# KiCad board MyCPU.kicad_pcb (continued)
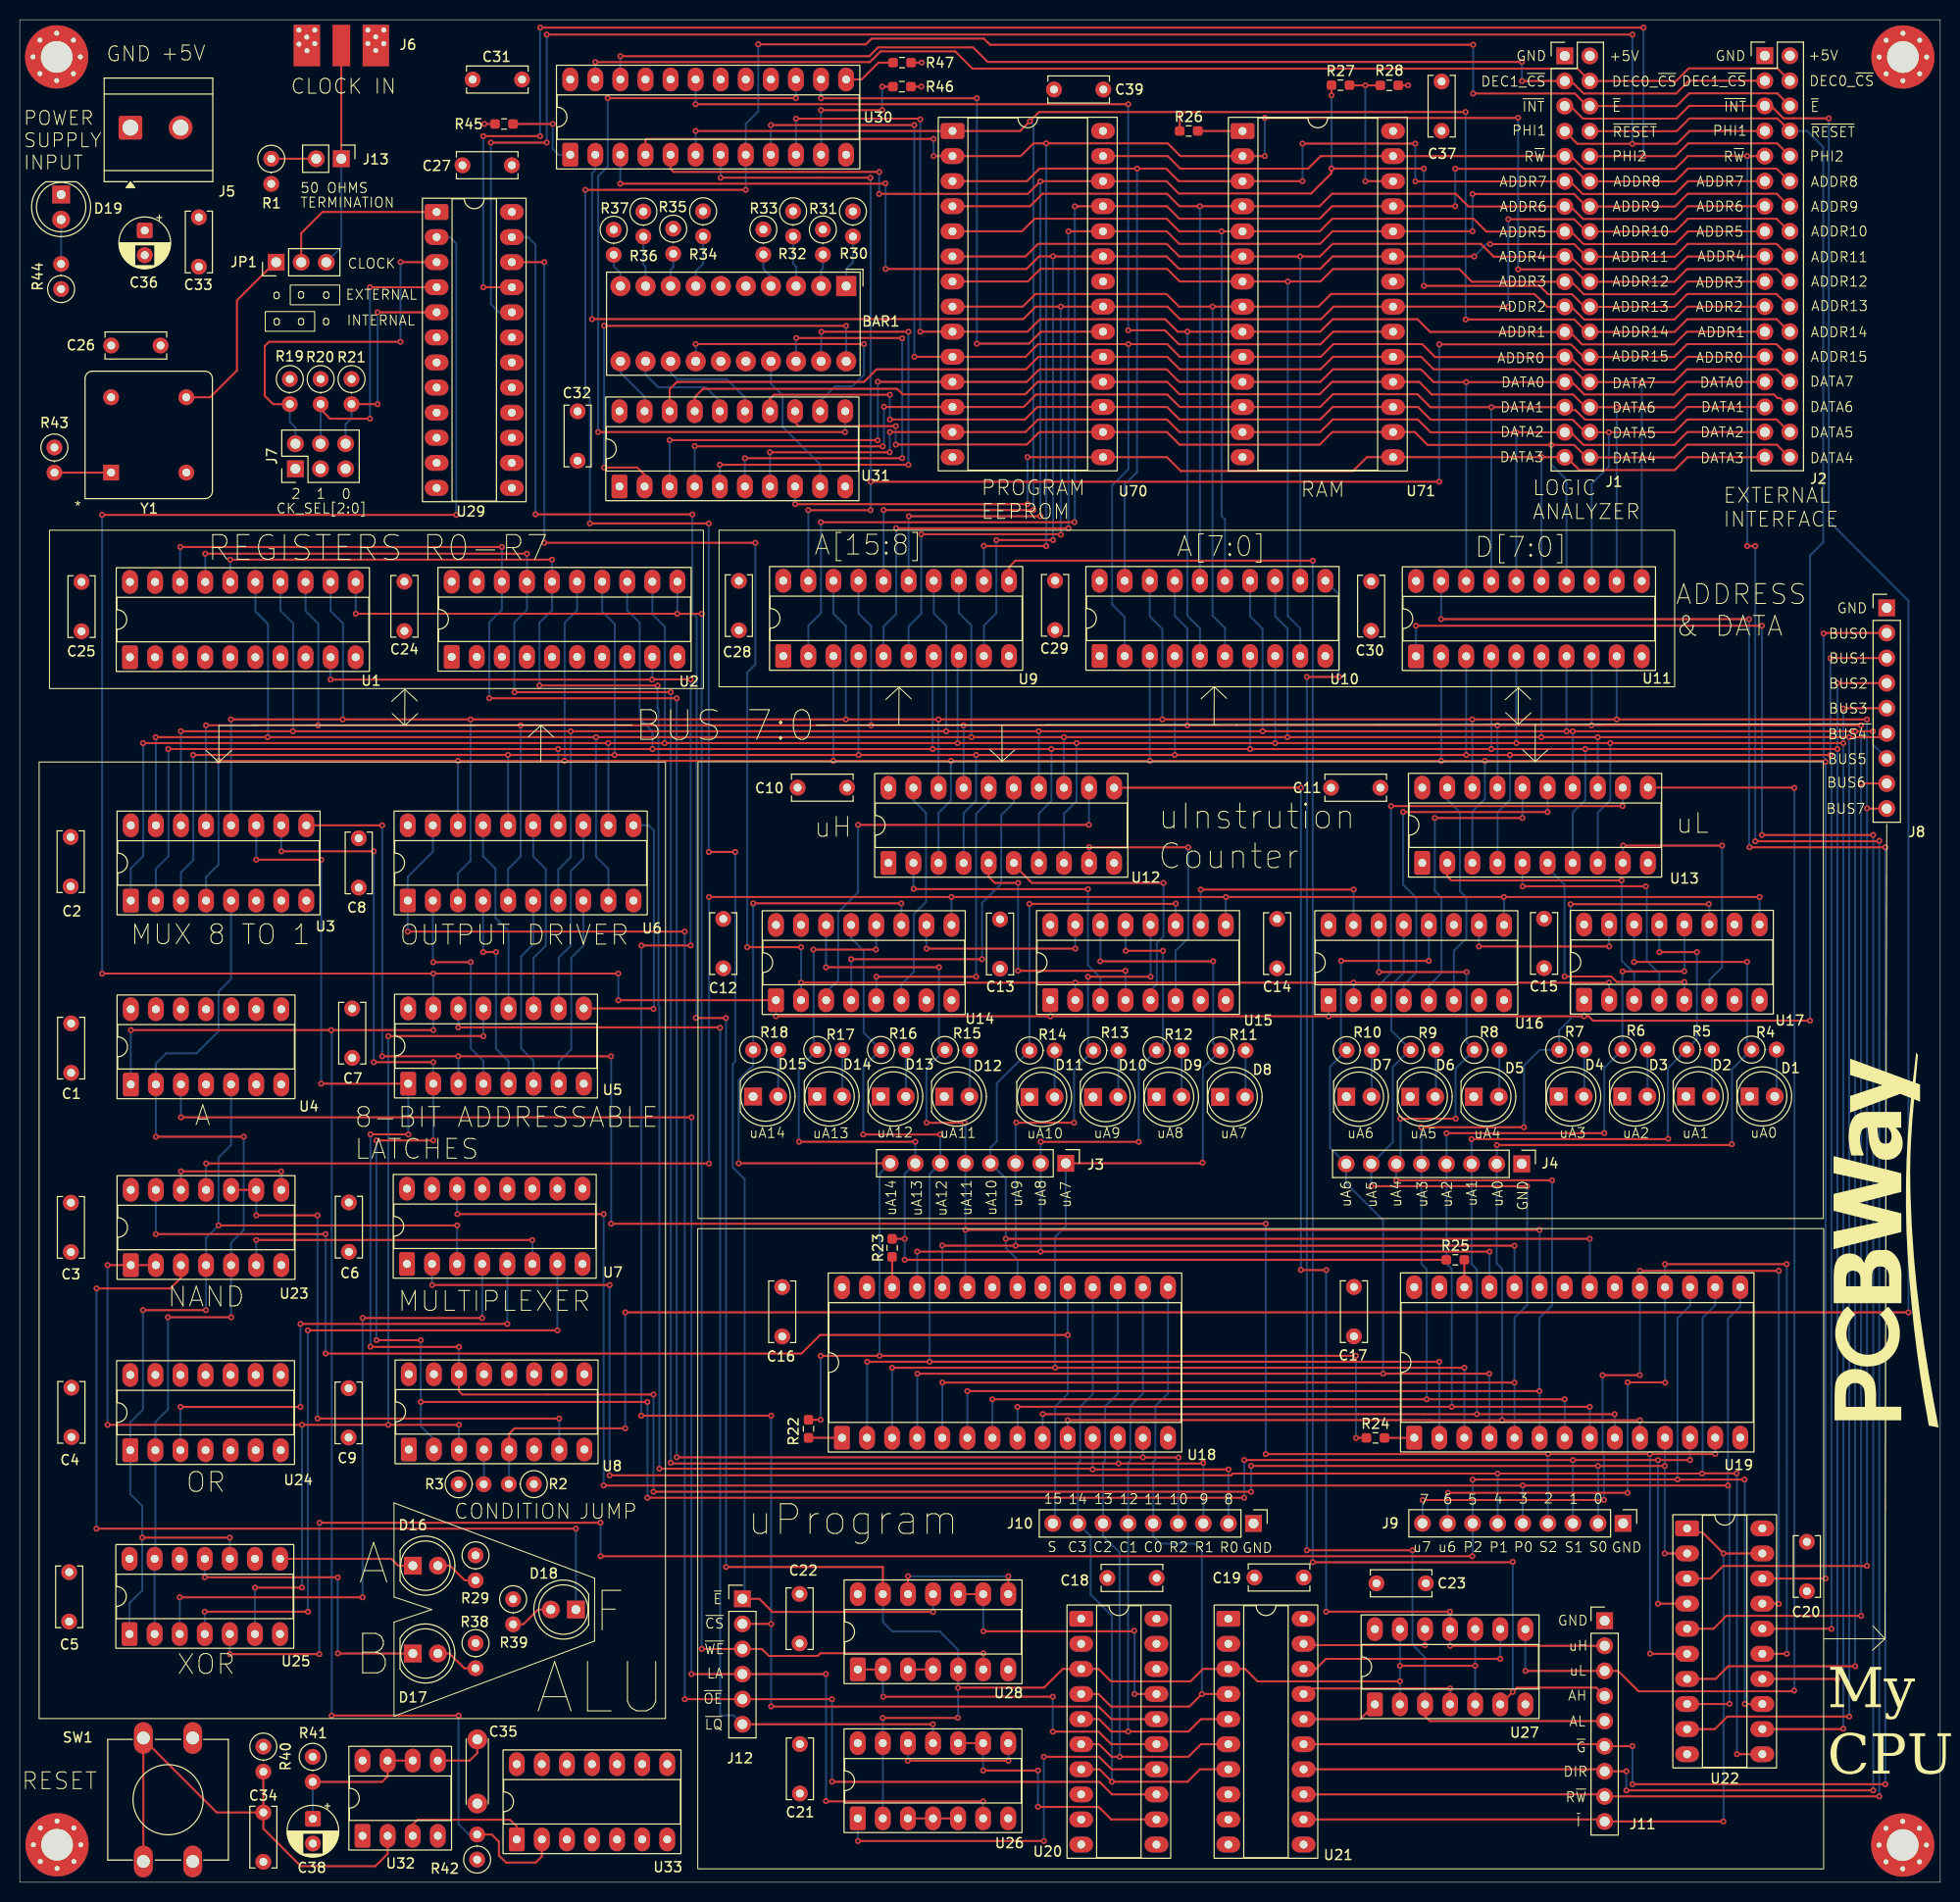
[diagram p0: board, top side]
## Footprints (pads in the part's own frame, mm; a bottom-side part is the same pattern mirrored in y, then rotated)
C_Disc_D6.0mm_W2.5mm_P5.00mm
  round 1.6 hole 0.8: 1(0,0) 2(5,0)
C_Disc_D6.5mm_W2.1mm_P6.50mm
  round 2 hole 1: 1(0,0) 2(6.5,0)
CP_Radial_D5.0mm_P2.50mm
  rrect 1.6x1.6 hole 0.8: 1(0,0)
  round 1.6 hole 0.8: 2(2.5,0)
DIP-8_W7.62mm_Socket_LongPads
  rrect 2.4x1.6 hole 0.8: 1(0,0)
  oval 2.4x1.6 hole 0.8: 2(0,-2.54) 3(0,-5.08) 4(0,-7.62) 5(7.62,-7.62) 6(7.62,-5.08) 7(7.62,-2.54) 8(7.62,0)
DIP-14_W7.62mm_Socket_LongPads
  rrect 2.4x1.6 hole 0.8: 1(0,0)
  oval 2.4x1.6 hole 0.8: 2(0,-2.54) 3(0,-5.08) 4(0,-7.62) 5(0,-10.16) 6(0,-12.7) 7(0,-15.24) 8(7.62,-15.24) 9(7.62,-12.7) 10(7.62,-10.16) 11(7.62,-7.62) 12(7.62,-5.08) 13(7.62,-2.54) 14(7.62,0)
DIP-16_W7.62mm_Socket_LongPads
  rrect 2.4x1.6 hole 0.8: 1(0,0)
  oval 2.4x1.6 hole 0.8: 2(0,-2.54) 3(0,-5.08) 4(0,-7.62) 5(0,-10.16) 6(0,-12.7) 7(0,-15.24) 8(0,-17.78) 9(7.62,-17.78) 10(7.62,-15.24) 11(7.62,-12.7) 12(7.62,-10.16) 13(7.62,-7.62) 14(7.62,-5.08) 15(7.62,-2.54) 16(7.62,0)
DIP-20_W7.62mm_Socket_LongPads
  rrect 2.4x1.6 hole 0.8: 1(0,0)
  oval 2.4x1.6 hole 0.8: 2(0,-2.54) 3(0,-5.08) 4(0,-7.62) 5(0,-10.16) 6(0,-12.7) 7(0,-15.24) 8(0,-17.78) 9(0,-20.32) 10(0,-22.86) 11(7.62,-22.86) 12(7.62,-20.32) 13(7.62,-17.78) 14(7.62,-15.24) 15(7.62,-12.7) 16(7.62,-10.16) 17(7.62,-7.62) 18(7.62,-5.08) 19(7.62,-2.54) 20(7.62,0)
DIP-24_W7.62mm_Socket_LongPads
  rrect 2.4x1.6 hole 0.8: 1(0,0)
  oval 2.4x1.6 hole 0.8: 2(0,-2.54) 3(0,-5.08) 4(0,-7.62) 5(0,-10.16) 6(0,-12.7) 7(0,-15.24) 8(0,-17.78) 9(0,-20.32) 10(0,-22.86) 11(0,-25.4) 12(0,-27.94) 13(7.62,-27.94) 14(7.62,-25.4) 15(7.62,-22.86) 16(7.62,-20.32) 17(7.62,-17.78) 18(7.62,-15.24) 19(7.62,-12.7) 20(7.62,-10.16) 21(7.62,-7.62) 22(7.62,-5.08) 23(7.62,-2.54) 24(7.62,0)
DIP-28_W15.24mm_Socket_LongPads
  rrect 2.4x1.6 hole 0.8: 1(0,0)
  oval 2.4x1.6 hole 0.8: 2(0,-2.54) 3(0,-5.08) 4(0,-7.62) 5(0,-10.16) 6(0,-12.7) 7(0,-15.24) 8(0,-17.78) 9(0,-20.32) 10(0,-22.86) 11(0,-25.4) 12(0,-27.94) 13(0,-30.48) 14(0,-33.02) 15(15.24,-33.02) 16(15.24,-30.48) 17(15.24,-27.94) 18(15.24,-25.4) 19(15.24,-22.86) 20(15.24,-20.32) 21(15.24,-17.78) 22(15.24,-15.24) 23(15.24,-12.7) 24(15.24,-10.16) 25(15.24,-7.62) 26(15.24,-5.08) 27(15.24,-2.54) 28(15.24,0)
GSG-SMA-73251-2120_drill_0.5mm
  rect 4.19x1.78 smd: 1(2.095,0)
  round 1 hole 0.5: 2(1.575,3.48) 2(1.6,-3.48) 2(2.235,4.293) 2(2.286,2.692) 2(2.286,-2.685) 2(2.286,-4.293) 2(2.946,3.505) 2(2.972,-3.48) 2(3.658,4.293) 2(3.658,2.692) 2(3.658,-2.685) 2(3.658,-4.293)
  rect 4.19x2.665 smd: 2(2.095,3.493) 2(2.095,-3.493)
  rect 4.19x2.665 smd far side: 2(2.095,3.493) 2(2.095,-3.493)
HDSP-4830
  rect 2.032x2.032 hole 0.914: 1(0,0)
  round 2.032 hole 0.914: 2(0,-2.54) 3(0,-5.08) 4(0,-7.62) 5(0,-10.16) 6(0,-12.7) 7(0,-15.24) 8(0,-17.78) 9(0,-20.32) 10(0,-22.86) 11(7.62,-22.86) 12(7.62,-20.32) 13(7.62,-17.78) 14(7.62,-15.24) 15(7.62,-12.7) 16(7.62,-10.16) 17(7.62,-7.62) 18(7.62,-5.08) 19(7.62,-2.54) 20(7.62,0)
LED_D5.0mm
  rect 1.8x1.8 hole 0.9: 1(0,0)
  round 1.8 hole 0.9: 2(2.54,0)
MountingHole_3.2mm_M3_Pad_Via_Drill_0.5mm
  round 0.8 hole 0.5: 1(-2.4,0) 1(-1.697,1.697) 1(-1.697,-1.697) 1(0,2.4) 1(0,-2.4) 1(1.697,1.697) 1(1.697,-1.697) 1(2.4,0)
  round 6.4 hole 3.2: 1(0,0)
Oscillator_DIP-8
  rect 1.6x1.6 hole 0.8: 1(0,0)
  round 1.6 hole 0.8: 4(7.62,0) 5(7.62,7.62) 8(0,7.62)
PinHeader_1x02_P2.54mm_Vertical
  rect 1.7x1.7 hole 1: 1(0,0)
  round 1.7 hole 1: 2(0,-2.54)
PinHeader_1x03_P2.54mm_Vertical
  rect 1.7x1.7 hole 1: 1(0,0)
  round 1.7 hole 1: 2(0,-2.54) 3(0,-5.08)
PinHeader_1x06_P2.54mm_Vertical
  rect 1.7x1.7 hole 1: 1(0,0)
  round 1.7 hole 1: 2(0,-2.54) 3(0,-5.08) 4(0,-7.62) 5(0,-10.16) 6(0,-12.7)
PinHeader_1x08_P2.54mm_Vertical
  rect 1.7x1.7 hole 1: 1(0,0)
  round 1.7 hole 1: 2(0,-2.54) 3(0,-5.08) 4(0,-7.62) 5(0,-10.16) 6(0,-12.7) 7(0,-15.24) 8(0,-17.78)
PinHeader_1x09_P2.54mm_Vertical
  rect 1.7x1.7 hole 1: 1(0,0)
  round 1.7 hole 1: 2(0,-2.54) 3(0,-5.08) 4(0,-7.62) 5(0,-10.16) 6(0,-12.7) 7(0,-15.24) 8(0,-17.78) 9(0,-20.32)
PinHeader_2x03_P2.54mm_Vertical
  rect 1.7x1.7 hole 1: 1(0,0)
  round 1.7 hole 1: 2(2.54,0) 3(0,-2.54) 4(2.54,-2.54) 5(0,-5.08) 6(2.54,-5.08)
PinHeader_2x17_P2.54mm_Vertical
  rect 1.7x1.7 hole 1: 1(0,0)
  round 1.7 hole 1: 2(2.54,0) 3(0,-2.54) 4(2.54,-2.54) 5(0,-5.08) 6(2.54,-5.08) 7(0,-7.62) 8(2.54,-7.62) 9(0,-10.16) 10(2.54,-10.16) 11(0,-12.7) 12(2.54,-12.7) 13(0,-15.24) 14(2.54,-15.24) 15(0,-17.78) 16(2.54,-17.78) 17(0,-20.32) 18(2.54,-20.32) 19(0,-22.86) 20(2.54,-22.86) 21(0,-25.4) 22(2.54,-25.4) 23(0,-27.94) 24(2.54,-27.94) 25(0,-30.48) 26(2.54,-30.48) 27(0,-33.02) 28(2.54,-33.02) 29(0,-35.56) 30(2.54,-35.56) 31(0,-38.1) 32(2.54,-38.1) 33(0,-40.64) 34(2.54,-40.64)
R_0603_1608Metric_Pad0.98x0.95mm_HandSolder
  rrect 0.975x0.95 smd: 1(-0.912,0) 2(0.912,0)
R_Axial_DIN0207_L6.3mm_D2.5mm_P2.54mm_Vertical
  round 1.6 hole 0.8: 1(0,0) 2(2.54,0)
SW_PUSH-12mm
  oval 3.2x1.9 hole 1.3: 1(0,0) 1(12.5,0) 2(0,-5) 2(12.5,-5)
TerminalBlock_CUI_TB007-508-02_1x02_P5.08mm_Horizontal
  rrect 2.4x2.4 hole 1.6: 1(0,0)
  round 2.4 hole 1.6: 2(5.08,0)

## Nets
+5V: C1.1 C2.1 C3.1 C4.1 C5.1 C6.1 C7.1 C8.1 C9.1 C10.1 C11.1 C12.1 C13.1 C14.1 C15.1 C16.1 C17.1 C18.1 C19.1 C20.1 C21.1 C22.1 C23.1 C24.1 C25.1 C26.1 C27.1 C28.1 C29.1 C30.1 C31.1 C32.1 C33.1 C36.1 C37.1 C39.1 J1.2 J2.2 J5.2 R2.1 R19.1 R20.1 R21.1 R28.1 R29.1 R30.1 R31.1 R32.1 R33.1 R34.1 R35.1 R36.1 R37.1 R38.1 R39.1 R40.1 R41.1 R42.1 R43.1 R44.1 U1.20 U2.20 U3.16 U4.4 U4.10 U4.13 U4.14 U5.16 U6.20 U7.15 U7.16 U8.15 U8.16 U9.20 U10.20 U11.20 U12.20 U13.20 U14.7 U14.16 U15.7 U15.16 U16.7 U16.16 U17.7 U17.10 U17.16 U18.27 U18.28 U19.27 U19.28 U20.20 U21.20 U22.20 U23.14 U24.14 U25.9 U25.12 U25.14 U26.14 U27.14 U28.14 U29.24 U30.24 U31.20 U32.4 U32.8 U33.14 U70.28 U71.28 Y1.8
GND: C1.2 C2.2 C3.2 C4.2 C5.2 C6.2 C7.2 C8.2 C9.2 C10.2 C11.2 C12.2 C13.2 C14.2 C15.2 C16.2 C17.2 C18.2 C19.2 C20.2 C21.2 C22.2 C23.2 C24.2 C25.2 C26.2 C27.2 C28.2 C29.2 C30.2 C31.2 C32.2 C33.2 C34.2 C35.2 C36.2 C37.2 C38.2 C39.2 D1.1 D2.1 D3.1 D4.1 D5.1 D6.1 D7.1 D8.1 D9.1 D10.1 D11.1 D12.1 D13.1 D14.1 D15.1 D19.1 H1.1 H2.1 H3.1 H4.1 J1.1 J2.1 J4.1 J5.1 J6.2 J7.1 J7.3 J7.5 J8.1 J9.1 J10.1 J11.1 R1.2 R3.1 R45.1 R46.1 R47.1 SW1.1 U1.1 U1.2 U1.3 U1.4 U1.5 U1.6 U1.7 U1.8 U1.10 U1.19 U2.1 U2.2 U2.3 U2.4 U2.5 U2.6 U2.7 U2.8 U2.10 U2.19 U3.7 U3.8 U4.7 U4.11 U4.12 U5.8 U6.10 U7.1 U7.8 U7.10 U7.11 U7.12 U7.13 U8.1 U8.6 U8.8 U8.10 U8.11 U8.12 U8.13 U9.1 U9.10 U10.1 U10.10 U11.10 U12.1 U12.10 U13.1 U13.10 U14.8 U15.8 U16.8 U17.8 U18.14 U18.20 U18.22 U19.14 U19.20 U19.22 U20.1 U20.2 U20.8 U20.9 U20.10 U20.11 U21.1 U21.2 U21.8 U21.9 U21.10 U21.11 U22.10 U23.7 U24.4 U24.5 U24.7 U24.9 U24.10 U24.12 U24.13 U25.7 U26.7 U27.7 U28.7 U29.12 U30.12 U31.1 U31.10 U32.1 U33.3 U33.5 U33.7 U33.9 U33.11 U33.13 U70.14 U70.22 U71.14 U71.22 Y1.4
/MyCpu_Alu/A: U4.5 U7.3 U23.4 U24.1 U25.1 U25.10
/MyCpu_Alu/B: U3.5 U4.2 U23.5 U24.2 U25.2 U25.13
/MyCpu_Alu/F: U5.13 U8.3 U23.1 U23.2 U25.6
/MyCpu_Alu/Q0: U5.4 U6.2
/MyCpu_Alu/Q1: U5.5 U6.4
/MyCpu_Alu/Q2: U5.6 U6.6
/MyCpu_Alu/Q3: U5.7 U6.8
/MyCpu_Alu/Q4: U5.9 U6.11
/MyCpu_Alu/Q5: U5.10 U6.13
/MyCpu_Alu/Q6: U5.11 U6.15
/MyCpu_Alu/Q7: U5.12 U6.17
/MyCpu_Clock/CK_SEL0: J7.6 R21.2 U29.5
/MyCpu_Clock/CK_SEL1: J7.4 R20.2 U29.4
/MyCpu_Clock/CK_SEL2: J7.2 R19.2 U29.3
/MyCpu_EEPROM_ucode/C0: J10.5 U18.15 U20.4 U21.4
/MyCpu_EEPROM_ucode/C1: J10.6 U18.16 U20.5 U21.5
/MyCpu_EEPROM_ucode/C2: J10.7 U18.17 U20.6 U21.6
/MyCpu_EEPROM_ucode/C3: J10.8 U18.18 U20.7 U21.7
/MyCpu_EEPROM_ucode/u6: J9.8 U19.18 U22.15
/MyCpu_EEPROM_ucode/u7: J9.9 U19.19 U22.17
ADDR0: J1.25 J2.25 U10.2 U30.9 U70.10 U71.10
ADDR1: J1.23 J2.23 U10.5 U30.10 U70.9 U71.9
ADDR2: J1.21 J2.21 U10.6 U70.8 U71.8
ADDR3: J1.19 J2.19 U10.9 U70.7 U71.7
ADDR4: J1.17 J2.17 U10.12 U70.6 U71.6
ADDR5: J1.15 J2.15 U10.15 U70.5 U71.5
ADDR6: J1.13 J2.13 U10.16 U70.4 U71.4
ADDR7: J1.11 J2.11 U10.19 U70.3 U71.3
ADDR8: J1.12 J2.12 U9.2 U70.25 U71.25
ADDR9: J1.14 J2.14 U9.5 U70.24 U71.24
ADDR10: J1.16 J2.16 U9.6 U30.2 U70.21 U71.21
ADDR11: J1.18 J2.18 U9.9 U30.3 U70.23 U71.23
ADDR12: J1.20 J2.20 U9.12 U30.4 U70.2 U71.2
ADDR13: J1.22 J2.22 R27.1 U9.15 U30.5 U70.26
ADDR14: J1.24 J2.24 R26.1 U9.16 U30.6 U70.1
ADDR15: J1.26 J2.26 U9.19 U30.7
AH: J11.4 U9.11 U27.6
AL: J11.5 U10.11 U27.3
BUS0: J8.2 U2.15 U3.4 U6.18 U9.3 U10.3 U11.2 U12.3 U13.3 U22.18
BUS1: J8.3 U2.14 U3.3 U6.16 U9.4 U10.4 U11.3 U12.4 U13.4 U22.16
BUS2: J8.4 U2.13 U3.2 U6.14 U9.7 U10.7 U11.4 U12.7 U13.7 U22.14
BUS3: J8.5 U2.12 U3.1 U6.12 U9.8 U10.8 U11.5 U12.8 U13.8 U22.12
BUS4: J8.6 U1.15 U3.15 U6.9 U9.13 U10.13 U11.6 U12.13 U13.13 U22.9
BUS5: J8.7 U1.14 U3.14 U6.7 U9.14 U10.14 U11.7 U12.14 U13.14 U22.7
BUS6: J8.8 U1.13 U3.13 U6.5 U9.17 U10.17 U11.8 U12.17 U13.17 U22.5
BUS7: J8.9 U1.12 U3.12 U6.3 U9.18 U10.18 U11.9 U12.18 U13.18 U22.3
DATA0: J1.27 J2.27 U11.18 U31.3 U70.11 U71.11
DATA1: J1.29 J2.29 U11.17 U31.4 U70.12 U71.12
DATA2: J1.31 J2.31 U11.16 U31.7 U70.13 U71.13
DATA3: J1.33 J2.33 U11.15 U31.8 U70.15 U71.15
DATA4: J1.34 J2.34 U11.14 U31.13 U70.16 U71.16
DATA5: J1.32 J2.32 U11.13 U31.14 U70.17 U71.17
DATA6: J1.30 J2.30 U11.12 U31.17 U70.18 U71.18
DATA7: J1.28 J2.28 U11.11 U31.18 U70.19 U71.19
DEC0_~{CS}: J1.4 J2.4 U30.23
DEC1_~{CS}: J1.3 J2.3 U30.22
DIR: J11.7 U11.1 U21.14
EEPROM_~{CS}: U30.14 U70.20
LA: J12.4 U4.3 U26.6
LED_PORT_CLK: U30.15 U31.11
P0: J9.5 U7.14 U19.15 U22.8
P1: J9.6 U7.2 U19.16 U22.11
P2: J9.7 U19.17 U22.13 U25.5
Phi1: U14.2 U15.2 U16.2 U17.2 U29.22
Phi1_b: J1.7 J2.7 U29.20
Phi2: U20.3 U21.3 U26.2 U26.13 U27.2 U27.5 U27.10 U27.13 U28.5 U28.13 U29.23
Phi2_b: J1.10 J2.10 U29.21
R0: J10.2 U1.16 U2.16 U18.11
R1: J10.3 U1.17 U2.17 U18.12
R2: J10.4 U1.18 U2.18 U18.13
RAM_~{CS}: U30.19 U71.20
R~{W}: J1.9 J2.9 J11.8 U21.13 U70.27 U71.27
S: J10.9 U18.19 U23.13
S0: J9.2 U3.11 U5.1 U8.14 U19.11 U22.2
S1: J9.3 U3.10 U5.2 U8.2 U19.12 U22.4
S2: J9.4 U3.9 U5.3 U19.13 U22.6
uA0: J4.2 R4.1 U17.14 U18.10 U19.10
uA1: J4.3 R5.1 U17.13 U18.9 U19.9
uA2: J4.4 R6.1 U17.12 U18.8 U19.8
uA3: J4.5 R7.1 U17.11 U18.7 U19.7
uA4: J4.6 R8.1 U16.14 U18.6 U19.6
uA5: J4.7 R9.1 U16.13 U18.5 U19.5
uA6: J4.8 R10.1 U16.12 U18.4 U19.4
uA7: J3.1 R11.1 U15.14 U18.3 U19.3
uA8: J3.2 R12.1 U15.13 U18.25 U19.25
uA9: J3.3 R13.1 U15.12 U18.24 U19.24
uA10: J3.4 R14.1 U15.11 U18.21 U19.21
uA11: J3.5 R15.1 U14.14 U18.23 U19.23
uA12: J3.6 R16.1 U14.13 U18.2 U19.2
uA13: J3.7 R17.1 R23.1 R25.1 U14.12
uA14: J3.8 R18.1 R22.1 R24.1 U14.11
uH: J11.2 U12.11 U27.11
uL: J11.3 U13.11 U27.8
~{CS}: J12.2 U1.9 U2.9 U20.16
~{E}: J1.6 J2.6 J12.1 U28.11 U30.8
~{G}: J11.6 U11.19 U21.15
~{INT}: J1.5 J2.5 R2.2 U8.5
~{I}: J11.9 U21.12 U22.1 U22.19
~{LQ}: J12.6 U5.14 U26.11
~{OE}: J12.5 U6.1 U6.19 U20.13
~{RESET}: J1.8 J2.8 R42.2 U4.1 U5.15 U14.1 U15.1 U16.1 U17.1 U29.2 U33.2
~{uLoad}: U14.9 U15.9 U16.9 U17.9 U23.11
~{WE}: J12.3 U1.11 U2.11 U28.6
Net-(BAR1-A-Pad1): BAR1.1 R30.2
Net-(BAR1-A-Pad2): BAR1.2 R31.2
Net-(BAR1-A-Pad3): BAR1.3 R32.2
Net-(BAR1-A-Pad4): BAR1.4 R33.2
Net-(BAR1-A-Pad7): BAR1.7 R34.2
Net-(BAR1-A-Pad8): BAR1.8 R35.2
Net-(BAR1-A-Pad9): BAR1.9 R36.2
Net-(BAR1-A-Pad10): BAR1.10 R37.2
Net-(D1-A): D1.2 R4.2
Net-(D2-A): D2.2 R5.2
Net-(D3-A): D3.2 R6.2
Net-(D4-A): D4.2 R7.2
Net-(D5-A): D5.2 R8.2
Net-(D6-A): D6.2 R9.2
Net-(D7-A): D7.2 R10.2
Net-(D8-A): D8.2 R11.2
Net-(D9-A): D9.2 R12.2
Net-(D10-A): D10.2 R13.2
Net-(D11-A): D11.2 R14.2
Net-(D12-A): D12.2 R15.2
Net-(D13-A): D13.2 R16.2
Net-(D14-A): D14.2 R17.2
Net-(D15-A): D15.2 R18.2
Net-(D16-A): D16.2 R29.2
Net-(D16-K): D16.1 U25.8
Net-(D17-A): D17.2 R38.2
Net-(D17-K): D17.1 U25.11
Net-(D18-A): D18.2 R39.2
Net-(D18-K): D18.1 U23.3
Net-(D19-A): D19.2 R44.2
Net-(J13-Pin_1): J6.1 J13.1 JP1.3
Net-(J13-Pin_2): J13.2 R1.1
Net-(JP1-A): JP1.1 Y1.5
Net-(JP1-C): JP1.2 U29.1
Net-(U7-I0a): U7.6 U23.6
Net-(U7-I1a): U7.5 U24.3
Net-(U7-I2a): U7.4 U25.3
Net-(U7-Za): U7.7 U25.4
Net-(U8-I2a): R3.2 U8.4
Net-(U8-Za): U8.7 U23.9 U23.10
Net-(U12-O0): U12.2 U15.3
Net-(U12-O1): U12.5 U15.4
Net-(U12-O2): U12.6 U15.5
Net-(U12-O3): U12.9 U15.6
Net-(U12-O4): U12.12 U14.3
Net-(U12-O5): U12.15 U14.4
Net-(U12-O6): U12.16 U14.5
Net-(U12-O7): U12.19 U14.6
Net-(U13-O0): U13.2 U17.3
Net-(U13-O1): U13.5 U17.4
Net-(U13-O2): U13.6 U17.5
Net-(U13-O3): U13.9 U17.6
Net-(U13-O4): U13.12 U16.3
Net-(U13-O5): U13.15 U16.4
Net-(U13-O6): U13.16 U16.5
Net-(U13-O7): U13.19 U16.6
Net-(U14-CET): U14.10 U15.15
Net-(U15-CET): U15.10 U16.15
Net-(U16-CET): U16.10 U17.15
Net-(U18-A13): R23.2 U18.26
Net-(U18-A14): R22.2 U18.1
Net-(U19-A13): R25.2 U19.26
Net-(U19-A14): R24.2 U19.1
Net-(U20-I03): U20.17 U28.9 U28.10
Net-(U20-IO5): U20.15 U28.1 U28.2
Net-(U20-IO6): U20.14 U26.1
Net-(U20-IO8): U20.12 U26.9 U26.10
Net-(U21-I03): U21.17 U27.4
Net-(U21-IO1): U21.19 U27.12
Net-(U21-IO2): U21.18 U27.9
Net-(U21-IO4): U21.16 U27.1
Net-(U23-Pad12): U23.8 U23.12
Net-(U26-Pad3): U26.3 U26.4 U26.5
Net-(U26-Pad12): U26.8 U26.12
Net-(U28-Pad3): U28.3 U28.4
Net-(U28-Pad12): U28.8 U28.12
Net-(U30-I1/CLK): R45.2 U30.1
Net-(U30-I11): R46.2 U30.11
Net-(U30-I13): R47.2 U30.13
Net-(U31-O0): BAR1.20 U31.2
Net-(U31-O1): BAR1.19 U31.5
Net-(U31-O2): BAR1.18 U31.6
Net-(U31-O3): BAR1.17 U31.9
Net-(U31-O4): BAR1.14 U31.12
Net-(U31-O5): BAR1.13 U31.15
Net-(U31-O6): BAR1.12 U31.16
Net-(U31-O7): BAR1.11 U31.19
Net-(U32-CV): C35.1 U32.5
Net-(U32-DIS): C38.1 R41.2 U32.6 U32.7
Net-(U32-Q): U32.3 U33.1
Net-(U32-TR): C34.1 R40.2 SW1.2 U32.2
Net-(U71-A13): R27.2 R28.2 U71.26
Net-(U71-A14): R26.2 U71.1
Net-(Y1-EN): R43.2 Y1.1

Pads without a net: BAR1 5 6 15 16; U3 6; U4 6 8 9; U7 9; U8 9; U14 15; U16 11; U20 18 19; U24 6 8 11; U29 6 7 8 9 10 11 13 14 15 16 17 18 19; U30 16 17 18 20 21; U33 4 6 8 10 12

## Via types
v1: diameter 0.6, hole 0.3, Top to Bottom, 666 vias

## Routing (per net, layer and track width the routed paths; a pad name or vN(x,y) marks a point on that pad's centre or on a via; arc(x,y) is an arc through that point)
+5V: length 1
  Top w0.2: R28.1 v1(140.61,181.91)
GND: length 3.2
  Top w0.2: R46.1 v1(91.3,181.78) ; R45.1 v1(47.06,178) ; R47.1 v1(91.35,184.21)
/MyCpu_Alu/A: length 104
  Top w0.2: v1(18.86,57.92) v1(12.48,57.92) ; v1(44.31,66.49) v1(20.13,66.49) ; v1(21.28,34.88) v1(12.41,34.88)
  Bottom w0.2: U25.1 11.12,28.26 12.41,29.54 v1(12.41,34.88) 12.41,38.09 11.19,39.3 U24.1 11.19,46.56 12.48,47.84 v1(12.48,57.92) ; U7.3 44.3,66.48 v1(44.31,66.49) ; v1(18.86,57.92) 18.87,57.93 U23.4 18.87,65.23 v1(20.13,66.49) 20.13,73.37 21.41,74.64 U4.5 21.41,80.67 21.31,80.57 ; U25.10 v1(21.28,34.88)
/MyCpu_Alu/B: length 95.6
  Top w0.2: v1(15.01,57.2) v1(21.41,57.2) ; v1(13.78,75.47) v1(22.69,75.47)
  Bottom w0.2: U3.5 21.41,91.44 20.14,90.17 20.14,86.15 17.91,83.92 14.84,83.92 13.78,82.87 U4.2 v1(13.78,75.47) ; v1(21.41,57.2) 21.41,57.2 U23.5 21.41,64.74 22.69,66.02 v1(22.69,75.47) ; v1(15.01,57.2) 15.01,47.87 13.74,46.6 13.74,32.82 U25.13 U25.2
/MyCpu_Alu/F: length 136.9
  Top w0.2: v1(37.32,85.66) v1(46.96,85.66) ; v1(44.48,46.3) v1(37.32,46.3) v1(28.58,46.3) v1(8.89,46.3) ; v1(8.89,62.47) U23.1 U23.2 ; v1(28.58,29.83) 28.57,29.82 27.58,29.82 27.58,29.82 v1(23.83,29.82)
  Bottom w0.2: v1(44.48,46.3) U8.3 ; v1(28.58,29.83) v1(28.58,46.3) ; v1(23.83,29.82) 23.82,29.81 U25.6 ; v1(8.89,46.3) v1(8.89,62.47) ; v1(37.32,85.66) v1(37.32,46.3) ; v1(46.96,85.66) U5.13
/MyCpu_Alu/Q0: length 22.9
  Top w0.2: v1(45.68,93.14) v1(41.88,93.14)
  Bottom w0.2: U6.2 41.84,93.18 v1(41.88,93.14) ; U5.4 46.96,83.14 45.68,84.42 v1(45.68,93.14)
/MyCpu_Alu/Q1: length 20.4
  Top w0.2: v1(48.23,94.17) v1(46.93,94.17)
  Bottom w0.2: U6.4 46.92,94.18 v1(46.93,94.17) ; v1(48.23,94.17) 48.23,84.39 49.5,83.12 U5.5
/MyCpu_Alu/Q2: length 19.6
  Bottom w0.2: U6.6 52,94.96 50.78,93.74 50.78,84.42 52.04,83.16 U5.6
/MyCpu_Alu/Q3: length 19.6
  Bottom w0.2: U5.7 54.58,83.04 55.86,84.32 55.86,93.59 57.08,94.82 U6.8
/MyCpu_Alu/Q4: length 27.4
  Top w0.2: v1(64.18,88.42) 64.14,88.46 U5.9
  Bottom w0.2: U6.11 63.69,107 64.23,106.47 64.23,88.47 v1(64.18,88.42)
/MyCpu_Alu/Q5: length 19.6
  Bottom w0.2: U6.13 57.08,103.64 55.81,102.37 55.81,94.82 54.58,93.59 U5.10
/MyCpu_Alu/Q6: length 19.6
  Bottom w0.2: U5.11 52.04,93.58 53.28,94.82 53.28,102.57 52,103.85 U6.15
/MyCpu_Alu/Q7: length 19.6
  Bottom w0.2: U5.12 49.5,96.3 48.18,97.62 48.18,102.62 46.92,103.88 U6.17
/MyCpu_Clock/CK_SEL0: length 22.2
  Top w0.2: R21.2 36.24,149.64 v1(36.24,149.63) ; U29.5 v1(36.24,158.93)
  Bottom w0.2: J7.6 33,147.6 33.6,148.2 R21.2 ; v1(36.24,158.93) v1(36.24,149.63)
/MyCpu_Clock/CK_SEL1: length 30
  Top w0.2: U29.4 v1(35.47,161.47) ; R20.2 30.47,149.12 31.43,148.16 v1(35.47,148.16)
  Bottom w0.2: v1(35.47,161.47) v1(35.47,148.16) ; R20.2 30.47,145.65 J7.4
/MyCpu_Clock/CK_SEL2: length 37.8
  Top w0.2: v1(38.56,155.95) 25.26,155.95 24.81,155.5 24.81,150.48 25.66,149.64 R19.2 ; v1(38.56,164.02) 38.57,164.01 U29.3
  Bottom w0.2: R19.2 27.35,147.84 27.92,147.27 J7.2 ; v1(38.56,164.02) v1(38.56,155.95)
/MyCpu_EEPROM_ucode/C0: length 61.9
  Top w0.2: v1(119.72,19.06) 119.82,19.06 ; v1(119.72,19.06) U21.4 ; v1(119.72,19.06) 118.45,17.78 110.52,17.78 109.25,19.06 U20.4
  Bottom w0.2: U18.15 116.29,49.48 115.01,48.2 115.01,42.78 114.79,42.56 J10.5 114.79,35.03 115.55,34.27 119.03,34.27 119.72,33.58 v1(119.72,19.06)
/MyCpu_EEPROM_ucode/C1: length 61.5
  Top w0.2: U20.5 109.3,16.51 110.56,15.25 v1(112.25,15.25) 118.37,15.25 119.63,16.51 U21.5
  Bottom w0.2: U18.16 113.75,49.47 112.47,48.19 112.47,42.71 112.25,42.49 J10.6 v1(112.25,15.25)
/MyCpu_EEPROM_ucode/C2: length 64.8
  Top w0.2: U21.6 119.63,13.97 118.36,12.7 v1(111.39,12.7) 110.57,12.7 109.3,13.97 U20.6
  Bottom w0.2: U18.17 111.21,49.46 109.93,48.18 109.93,42.67 109.71,42.45 J10.7 109.71,35.06 111.39,33.38 v1(111.39,12.7)
/MyCpu_EEPROM_ucode/C3: length 68.1
  Top w0.2: U21.7 119.53,11.44 118.27,10.17 v1(110.61,10.17) 109.35,11.44 U20.7
  Bottom w0.2: U18.18 108.67,49.41 107.4,48.14 107.4,42.64 107.17,42.41 J10.8 108.45,35.04 108.45,29.14 110.61,26.98 v1(110.61,10.17)
/MyCpu_EEPROM_ucode/u6: length 102.5
  Top w0.2: v1(166.64,50.58) 166.62,50.6 v1(162.84,50.6) ; U22.15 v1(178.96,23.12) ; v1(162.83,39.42) v1(144.65,39.42) ; v1(178.94,62.57) v1(166.62,62.57)
  Bottom w0.2: v1(178.94,62.57) 178.96,62.55 v1(178.96,23.12) ; v1(162.83,39.42) 162.83,39.58 162.84,39.59 v1(162.84,50.6) ; v1(166.62,62.57) 166.62,62.57 U19.18 166.62,50.6 v1(166.64,50.58) ; v1(144.65,39.42) 144.6,39.37 J9.8
/MyCpu_EEPROM_ucode/u7: length 97.2
  Top w0.2: v1(164.07,51.34) 164.06,51.33 v1(160.3,51.33) ; v1(142.07,38.69) 160.43,38.69 v1(160.44,38.7) ; U22.17 178.13,28.2 v1(178.15,28.19) ; v1(178.15,61.89) 164.1,61.89 v1(164.09,61.9)
  Bottom w0.2: v1(164.07,51.34) 164.08,51.36 164.08,60.24 164.09,60.25 v1(164.09,61.9) ; v1(160.3,51.33) 160.3,43.57 160.44,43.43 v1(160.44,38.7) ; v1(142.07,38.69) 142.06,38.69 J9.9 ; v1(178.15,28.19) v1(178.15,61.89)
ADDR0: length 163
  Top w0.2: v1(90.6,177.89) v1(76.07,177.89) ; v1(90.6,154.43) U70.10 101.85,154.43 103.13,155.71 v1(112.28,155.71) 116.2,155.71 117.49,154.43 131.75,154.43 133.03,155.71 142.03,155.71 143.33,154.41 157.04,154.41 158.31,153.14 167.59,153.14 168.88,154.43 176.67,154.43
  Bottom w0.2: U30.9 v1(76.07,177.89) ; U10.2 111.91,128.09 110.63,129.36 110.63,141.4 112.28,143.05 v1(112.28,155.71) ; v1(90.6,154.43) v1(90.6,177.89)
ADDR1: length 159.8
  Top w0.2: v1(78.61,178.54) 91.13,178.54 v1(91.2,178.47) ; v1(91.2,156.97) U70.9 102.06,156.97 103.33,158.24 116,158.24 117.27,156.97 v1(118.25,156.97) 131.7,156.97 132.97,158.24 141.56,158.24 142.85,156.95 156.97,156.95 158.23,155.69 167.56,155.69 168.83,156.97 176.67,156.97
  Bottom w0.2: v1(91.2,156.97) v1(91.2,178.47) ; U10.5 119.53,126.95 118.25,128.22 v1(118.25,156.97) ; U30.10 v1(78.61,178.54)
ADDR2: length 121.3
  Top w0.2: U70.8 101.58,159.51 102.86,160.79 116.13,160.79 117.41,159.51 v1(120.8,159.51) 131.53,159.51 132.81,160.79 153.41,160.79 154.7,159.49 157.16,159.49 158.43,158.21 167.58,158.21 168.88,159.51 176.67,159.51
  Bottom w0.2: v1(120.8,159.51) 120.8,128.23 122.06,126.97 U10.6
ADDR3: length 123.8
  Top w0.2: U70.7 102.1,162.05 103.38,163.34 116.19,163.34 117.48,162.05 v1(128.42,162.05) 131.73,162.05 132.99,163.31 145.78,163.31 147.06,162.03 157.14,162.03 158.41,160.76 167.58,160.76 168.87,162.05 176.67,162.05
  Bottom w0.2: U10.9 129.69,126.93 128.42,128.19 v1(128.42,162.05)
ADDR4: length 118.2
  Top w0.2: 176.67,164.59 168.91,164.59 167.63,163.31 158.33,163.31 157.07,164.57 149.28,164.57 147.98,165.86 132.95,165.86 131.68,164.59 v1(129.68,164.59) 117.43,164.59 116.16,165.86 103.13,165.86 101.86,164.59 U70.6
  Bottom w0.2: v1(129.68,164.59) 129.69,164.59 U10.12
ADDR5: length 120.9
  Top w0.2: 176.67,167.13 168.94,167.13 167.66,165.84 158.38,165.84 157.11,167.11 148.54,167.11 147.23,168.41 132.93,168.41 131.65,167.13 v1(121.72,167.13) 117.43,167.13 116.15,168.41 102.78,168.41 101.5,167.13 U70.5
  Bottom w0.2: v1(121.72,167.13) 121.72,138.3 122.06,137.96 U10.15
ADDR6: length 123.3
  Top w0.2: U70.4 102.31,169.67 103.58,170.94 116.19,170.94 117.45,169.67 v1(119.52,169.67) 131.64,169.67 132.91,170.94 145.43,170.94 146.72,169.65 157.07,169.65 158.33,168.39 167.63,168.39 168.91,169.67 176.67,169.67
  Bottom w0.2: v1(119.52,169.67) 119.53,169.67 U10.16
ADDR7: length 134.2
  Top w0.2: 176.67,172.21 168.95,172.21 167.66,170.91 158.28,170.91 157,172.19 141.35,172.19 v1(141.34,172.19) ; v1(129.91,172.21) 117.38,172.21 116.11,173.49 v1(113.16,173.49) 103.28,173.49 102,172.21 U70.3 ; v1(129.91,176.01) v1(141.33,176.01)
  Bottom w0.2: U10.19 111.91,141.51 113.16,142.76 v1(113.16,173.49) ; v1(141.33,176.01) 141.34,176 v1(141.34,172.19) ; v1(129.91,172.21) v1(129.91,176.01)
ADDR8: length 150.5
  Top w0.2: v1(145.38,169.67) 132.91,169.67 131.64,168.41 117.43,168.41 116.17,169.67 107.22,169.67 107.21,169.66 v1(106.85,169.66) ; 179.2,172.21 177.93,173.49 168.95,173.49 167.66,172.19 158.75,172.19 157.48,173.46 v1(145.38,173.46) ; v1(106.82,137.69) 106.81,137.68 v1(81.14,137.68)
  Bottom w0.2: v1(145.38,173.46) v1(145.38,169.67) ; 81.13,137.69 v1(81.14,137.68) 81.14,128.48 79.87,127.21 U9.2 ; v1(106.82,137.69) 106.85,137.72 v1(106.85,169.66)
ADDR9: length 140.5
  Top w0.2: 146.95,167.13 132.95,167.13 131.68,165.86 117.43,165.86 116.16,167.13 106.22,167.13 v1(106.21,167.14) ; v1(106.21,137.07) 88.76,137.07 v1(88.75,137.08) ; v1(147.13,167.14) 146.83,167.14 ; v1(147.13,170.91) 157.41,170.91 158.67,169.65 167.64,169.65 168.93,170.94 177.94,170.94 179.2,169.67
  Bottom w0.2: U9.5 87.49,127.12 88.76,128.39 88.76,137.07 v1(88.75,137.08) ; v1(147.13,170.91) v1(147.13,167.14) ; v1(106.21,167.14) v1(106.21,137.07)
ADDR10: length 200.2
  Top w0.2: v1(150.75,159.49) 150.73,159.51 133.06,159.51 131.78,158.24 117.5,158.24 116.23,159.51 v1(105.43,159.51) 102.9,159.51 101.64,158.25 57.97,158.25 v1(57.96,158.24) ; 179.2,167.13 177.92,168.41 168.95,168.41 167.65,167.11 158.69,167.11 157.43,168.36 v1(150.75,168.36) ; v1(105.43,136.42) 105.38,136.47 v1(91.29,136.47)
  Bottom w0.2: v1(105.43,136.42) v1(105.43,159.51) ; v1(91.29,136.47) 91.3,136.46 91.3,128.41 90.03,127.14 U9.6 ; U30.2 58.29,173.34 57.96,173.01 v1(57.96,158.24) ; v1(150.75,168.36) v1(150.75,159.49)
ADDR11: length 180.4
  Top w0.2: v1(147.3,164.59) 132.96,164.59 131.7,163.34 117.41,163.34 116.15,164.59 104.65,164.59 v1(104.64,164.6) 103.24,164.6 101.96,163.32 v1(87.69,163.32) ; 179.2,164.59 177.93,165.86 168.93,165.86 167.63,164.57 158.7,164.57 157.43,165.84 v1(148.91,165.84) ; v1(98.9,135.87) 98.91,135.88 104.64,135.88 v1(104.65,135.87) ; v1(60.82,171.95) 87.64,171.95 v1(87.68,171.99)
  Bottom w0.2: v1(98.9,135.87) 98.91,135.86 98.91,128.48 97.64,127.22 97.64,124.14 ; v1(87.69,163.32) 87.68,163.33 v1(87.68,171.99) ; v1(148.91,165.84) 148.55,165.84 v1(147.3,164.59) ; v1(104.64,164.6) 104.65,164.59 v1(104.65,135.87) ; v1(60.82,171.95) 60.83,171.96 U30.3
ADDR12: length 192
  Top w0.2: v1(126.1,174.75) 125.83,174.75 125.82,174.75 U71.2 ; v1(103.96,135.27) 103.96,135.27 97.66,135.27 v1(97.64,135.29) ; 179.2,162.05 177.94,163.31 168.86,163.31 167.57,162.03 158.67,162.03 157.41,163.29 v1(151.75,163.29) ; v1(92.55,174.75) U70.2 101.37,174.75 102.66,176.04 v1(103.96,176.04) 116.25,176.04 117.54,174.75 124.23,174.75 ; U30.4 63.37,176.38 63.48,176.49 v1(92.55,176.49) ; v1(126.1,178.61) 151.73,178.61 v1(151.75,178.64)
  Bottom w0.2: v1(126.1,178.61) v1(126.1,174.75) ; v1(97.64,135.29) 97.64,135.29 97.64,131.76 ; v1(92.55,176.49) v1(92.55,174.75) ; v1(151.75,178.64) v1(151.75,163.29) ; v1(103.96,135.27) v1(103.96,176.04)
ADDR13: length 195.5
  Top w0.2: v1(90.04,138.28) 90.05,138.29 v1(103.36,138.29) ; v1(142.2,173.49) 132.86,173.49 v1(132.85,173.49) 132.85,173.03 130.78,170.96 117.38,170.96 116.13,172.21 103.38,172.21 v1(103.36,172.19) 102.09,170.92 v1(87.04,170.92) ; U30.5 65.91,173.45 66.21,173.15 87.04,173.15 v1(87.05,173.14) ; v1(132.85,180.9) 132.85,180.91 R27.1 ; 179.2,159.51 177.93,160.79 168.88,160.79 167.58,159.49 158.48,159.49 157.2,160.76 154.78,160.76 153.93,161.61 v1(142.2,161.61)
  Bottom w0.2: v1(132.85,180.9) v1(132.85,173.49) ; v1(87.05,173.14) 87.04,173.13 v1(87.04,170.92) ; v1(103.36,138.29) v1(103.36,172.19) ; U9.15 90.03,138.27 v1(90.04,138.28) ; v1(142.2,173.49) v1(142.2,161.61)
ADDR14: length 200.8
  Top w0.2: 117.47,179.21 103.23,179.21 v1(102.31,178.29) 101.31,177.29 U70.1 v1(68.45,177.29) ; 117.47,179.21 v1(146.43,179.21) ; 117.47,179.21 117.48,179.21 R26.1 ; 159.2,156.95 158.69,156.95 157.43,158.21 v1(146.43,158.21) ; 159.2,156.95 167.59,156.95 168.88,158.24 177.94,158.24 179.2,156.97 ; 159.2,156.95 158.69,156.95 ; v1(87.48,138.91) 102.65,138.91 v1(102.66,138.92)
  Bottom w0.2: v1(87.48,138.91) 87.49,138.91 U9.16 ; v1(68.45,177.29) U30.6 ; v1(102.31,178.29) 102.66,177.94 v1(102.66,138.92) ; v1(146.43,179.21) v1(146.43,158.21)
ADDR15: length 173.2
  Top w0.2: v1(86.15,172.55) 86.14,172.56 71,172.56 v1(70.99,172.55) ; v1(86.17,138.9) 79.87,138.9 v1(79.86,138.91) ; v1(143.75,155.69) 157.11,155.69 158.38,154.41 167.55,154.41 168.86,155.71 177.92,155.71 179.2,154.43 ; v1(143.75,141.78) v1(86.17,141.78)
  Bottom w0.2: v1(86.17,138.9) v1(86.17,141.78) 86.17,172.53 v1(86.15,172.55) ; v1(143.75,155.69) 143.75,141.79 v1(143.75,141.78) ; v1(70.99,172.55) U30.7 ; v1(79.86,138.91) 79.87,138.91 U9.19
AH: length 178.9
  Top w0.2: v1(130.95,32.4) 130.96,32.39 151.16,32.39 v1(151.21,32.44) ; J11.4 159.66,19.7 151.64,19.7 U27.6 ; v1(130.95,133.79) 100.84,133.79 100.19,133.14 U9.11
  Bottom w0.2: v1(130.95,133.79) v1(130.95,32.4) ; v1(151.21,19.27) v1(151.21,32.44)
AL: length 148.4
  Top w0.2: J11.5 142.82,16.31 142.32,16.81 U27.3 ; v1(141.05,33.6) v1(130.35,33.6) ; v1(130.35,122.02) v1(133.61,122.02)
  Bottom w0.2: v1(141.05,33.6) 141.05,24.03 142.32,22.76 U27.3 ; v1(133.61,122.02) 133.61,130.37 U10.11 ; v1(130.35,33.6) v1(130.35,122.02)
BUS0: length 364.8
  Top w0.2: J8.2 182.74,126.47 v1(182.68,126.42) ; v1(182.88,113.42) 182.78,113.52 v1(148.38,113.52) v1(143.95,113.52) v1(114.45,113.52) v1(94.31,113.52) v1(82.4,113.52) v1(55.16,113.52) v1(44.38,113.52) v1(20.11,113.52) ; U22.18 v1(182.88,30.75)
  Bottom w0.2: v1(20.11,113.52) 20.14,113.5 20.14,103.05 18.87,101.78 U3.4 ; v1(148.38,113.52) 148.38,109.67 147.12,108.4 U13.3 ; U11.2 v1(143.95,113.52) ; U10.3 114.44,113.53 v1(114.45,113.52) ; v1(82.4,113.52) 82.41,113.53 U9.3 ; U2.15 56.44,128.76 55.19,127.5 55.19,113.55 v1(55.16,113.52) ; v1(182.68,126.42) 182.68,113.92 182.88,113.72 v1(182.88,113.42) v1(182.88,30.75) ; U6.18 v1(44.38,113.52) ; v1(94.31,113.52) 94.31,109.52 93.05,108.26 U12.3
BUS1: length 370.3
  Top w0.2: v1(183.48,25.64) 183.46,25.66 U22.16 ; v1(183.38,114.12) v1(150.93,114.12) v1(146.49,114.12) v1(116.98,114.12) v1(96.86,114.12) v1(84.95,114.12) v1(60.24,114.12) v1(49.46,114.12) v1(17.56,114.12) ; v1(183.38,123.92) 183.39,123.93 J8.3
  Bottom w0.2: U13.4 149.66,108.32 150.93,109.59 v1(150.93,114.12) ; U11.3 v1(146.49,114.12) ; v1(49.46,114.12) 49.46,114.12 U6.16 ; v1(17.56,114.12) 17.59,114.1 17.59,103.5 16.33,102.24 U3.3 ; U10.4 116.99,114.13 v1(116.98,114.12) ; v1(96.86,114.12) 96.86,109.49 95.59,108.23 U12.4 ; v1(84.95,114.12) 84.94,114.13 U9.4 ; v1(183.48,25.64) 183.48,114.02 v1(183.38,114.12) v1(183.38,123.92) ; U2.14 58.99,128.65 60.26,127.37 60.26,114.15 v1(60.24,114.12)
BUS2: length 376.6
  Top w0.2: U22.14 184.04,20.58 v1(184.08,20.54) ; v1(15.03,114.72) v1(54.53,114.72) v1(64.09,114.72) v1(92.45,114.72) v1(104.48,114.72) v1(124.6,114.72) v1(149.03,114.72) v1(158.56,114.72) v1(184.08,114.72) ; v1(184.08,121.39) J8.4
  Bottom w0.2: U12.7 103.21,108.2 104.48,109.47 v1(104.48,114.72) ; U6.14 54.54,114.71 v1(54.53,114.72) ; U3.2 13.78,102.6 15.06,103.87 15.06,114.7 v1(15.03,114.72) ; v1(158.56,114.72) 158.56,109.57 157.28,108.29 U13.7 ; U11.4 v1(149.03,114.72) ; v1(92.45,114.72) 92.45,124.02 U9.7 ; v1(184.08,121.39) v1(184.08,114.72) v1(184.08,20.54) 184.04,20.58 ; U10.7 124.61,114.73 v1(124.6,114.72) ; U2.13 61.53,128.76 62.78,127.5 62.78,117.79 64.09,116.49 v1(64.09,114.72)
BUS3: length 381.8
  Top w0.2: U22.12 184.64,15.5 v1(184.68,15.54) ; v1(12.49,115.32) v1(59.61,115.32) v1(65.31,115.32) v1(94.98,115.32) v1(107.03,115.32) v1(127.14,115.32) v1(151.57,115.32) v1(161.08,115.32) v1(184.68,115.32) 184.68,115.14 ; v1(184.68,118.82) 184.72,118.85 J8.5
  Bottom w0.2: v1(184.68,118.82) v1(184.68,115.32) v1(184.68,15.54) ; U2.12 64.06,128.37 65.34,127.1 65.34,115.35 v1(65.31,115.32) ; v1(161.08,115.32) 161.08,109.54 159.81,108.28 U13.8 ; U6.12 59.62,115.31 v1(59.61,115.32) ; 127.14,124.14 127.14,115.33 v1(127.14,115.32) ; U9.8 94.98,124.01 v1(94.98,115.33) ; v1(107.03,115.32) 107.03,109.47 105.75,108.19 U12.8 ; U3.1 11.25,102.63 12.51,103.9 12.51,115.3 v1(12.49,115.32) ; U11.5 v1(151.57,115.32)
BUS4: length 385.7
  Top w0.2: v1(185.28,16.77) 172.94,16.77 171.67,15.5 U22.9 ; 188.63,115.87 J8.6 188.69,115.92 v1(185.28,115.92) v1(159.81,115.92) v1(154.11,115.92) v1(128.4,115.92) v1(105.75,115.92) v1(96.38,115.92) v1(58.36,115.92) v1(25.11,115.92) v1(13.76,115.92)
  Bottom w0.2: U11.6 v1(154.11,115.92) ; v1(128.4,115.92) 128.4,126.91 127.14,128.17 127.14,131.76 ; 185.28,16.65 v1(185.28,16.77) v1(185.28,115.92) ; v1(96.38,115.92) 96.37,115.93 96.37,127.24 95.11,128.51 U9.13 ; U1.15 23.87,128.67 25.14,127.4 25.14,115.95 v1(25.11,115.92) ; U3.15 13.78,115.9 v1(13.76,115.92) ; v1(159.81,115.92) 159.81,115.91 U13.13 ; U6.9 59.62,102.57 58.36,103.83 v1(58.36,115.92) ; U12.13 105.75,115.92 v1(105.75,115.92)
BUS5: length 380.6
  Top w0.2: v1(16.31,116.52) v1(27.66,116.52) v1(55.81,116.52) v1(93.82,116.52) v1(103.2,116.52) v1(125.87,116.52) v1(156.65,116.52) v1(157.28,116.52) v1(185.88,116.52) v1(187.68,116.52) ; v1(185.88,21.87) 173.03,21.87 171.75,20.58 U22.7 169.1,20.58 169.16,20.64
  Bottom w0.2: 26.41,131.64 26.41,128.73 27.69,127.45 27.69,116.55 v1(27.66,116.52) ; U13.14 157.28,116.52 v1(157.28,116.52) ; v1(55.81,116.52) 55.81,103.78 54.54,102.51 U6.7 ; U9.14 92.56,128.47 93.83,127.2 93.83,116.53 v1(93.82,116.52) ; U3.14 16.33,116.51 v1(16.31,116.52) ; U12.14 103.21,116.52 v1(103.2,116.52) ; J8.7 187.68,115.17 v1(187.68,116.52) ; U10.14 124.61,128.16 125.87,126.89 v1(125.87,116.52) ; U11.7 v1(156.65,116.52) ; v1(185.88,116.52) v1(185.88,21.87)
BUS6: length 372.1
  Top w0.2: v1(186.48,111.24) 186.49,111.23 J8.8 ; U22.5 171.53,25.66 172.83,26.97 v1(186.48,26.97) ; v1(18.86,117.12) v1(30.21,117.12) v1(50.73,117.12) v1(86.22,117.12) v1(95.58,117.12) v1(118.25,117.12) v1(149.66,117.12) v1(159.19,117.12) v1(186.48,117.12) 186.48,116.94
  Bottom w0.2: v1(118.25,117.12) 118.25,126.92 116.99,128.19 U10.17 ; v1(50.73,117.12) 50.73,103.85 49.46,102.58 U6.5 ; v1(86.22,117.12) 86.22,127.18 84.94,128.46 U9.17 ; v1(186.48,26.97) v1(186.48,111.24) v1(186.48,117.12) ; 18.84,117.1 v1(18.86,117.12) 18.87,117.12 U3.13 ; v1(30.21,117.12) 30.24,117.15 30.24,127.4 28.94,128.69 28.94,131.64 ; v1(95.58,117.12) 95.59,117.11 U12.17 ; U11.8 v1(159.19,117.12) ; U13.17 v1(149.66,117.12)
BUS7: length 365.6
  Top w0.2: v1(187.08,108.72) 187.11,108.69 J8.9 ; v1(21.39,117.72) v1(32.71,117.72) v1(45.66,117.72) v1(83.66,117.72) v1(93.06,117.72) v1(115.72,117.72) v1(147.11,117.72) v1(161.73,117.72) v1(187.08,117.72) ; U22.3 171.23,30.75 172.5,32.02 v1(187.08,32.02)
  Bottom w0.2: v1(83.66,117.72) 83.67,117.73 83.67,127.17 82.41,128.44 U9.18 ; v1(32.71,117.72) 32.74,117.75 32.74,127.45 31.49,128.7 U1.12 ; v1(93.06,117.72) 93.05,117.72 U12.18 ; U11.9 v1(161.73,117.72) ; v1(187.08,117.72) v1(187.08,108.72) v1(187.08,32.02) ; U13.18 147.12,117.71 v1(147.11,117.72) ; v1(115.72,117.72) 115.72,126.88 114.44,128.16 U10.18 ; U3.12 21.41,117.7 v1(21.39,117.72) 21.38,117.72 ; v1(45.66,117.72) 45.66,103.43 44.38,102.15 U6.3
DATA0: length 144.8
  Top w0.2: v1(86.9,151.9) 86.91,151.89 U70.11 101.99,151.89 103.25,153.16 116.16,153.16 117.43,151.89 131.73,151.89 133,153.16 141.91,153.16 143.2,151.87 v1(146.49,151.87) 157.2,151.87 158.45,150.61 167.53,150.61 168.81,151.89 176.67,151.89 ; v1(86.89,145.97) 86.87,145.99 v1(65.82,145.99)
  Bottom w0.2: v1(86.89,145.97) 86.9,145.98 v1(86.9,151.9) ; U31.3 v1(65.82,145.99) ; U11.18 v1(146.49,151.87)
DATA1: length 137.3
  Top w0.2: 156.67,149.33 156.95,149.04 157.56,149.04 158.53,148.06 167.57,148.06 168.86,149.35 176.67,149.35 ; 156.67,149.33 v1(149.04,149.33) 142.87,149.33 141.56,150.64 132.99,150.64 131.7,149.35 117.48,149.35 116.22,150.61 102.93,150.61 101.67,149.35 U70.12 87.54,149.35 v1(87.52,149.37) ; 156.67,149.33 156.87,149.33 ; v1(68.36,145.39) 68.39,145.37 v1(87.41,145.37)
  Bottom w0.2: v1(87.52,149.37) 87.52,145.48 v1(87.41,145.37) ; v1(149.04,149.33) 149.03,149.32 U11.17 ; U31.4 v1(68.36,145.39)
DATA2: length 124.7
  Top w0.2: 176.67,146.81 174.46,146.81 174.45,146.81 168.88,146.81 167.58,145.51 158.36,145.51 157.08,146.79 156.67,146.79 ; v1(88.12,146.81) U70.13 101.86,146.81 103.13,148.09 116.18,148.09 117.45,146.81 131.7,146.81 132.98,148.09 141.58,148.09 142.88,146.79 v1(151.57,146.79) 156.67,146.79 ; 156.67,146.79 156.91,146.79 ; v1(75.98,144.77) v1(88.1,144.77)
  Bottom w0.2: U11.16 v1(151.57,146.79) ; U31.7 v1(75.98,144.77) ; v1(88.12,146.81) 88.12,144.78 v1(88.1,144.76)
